# KiCad board DingoPDM.kicad_pcb (continued)
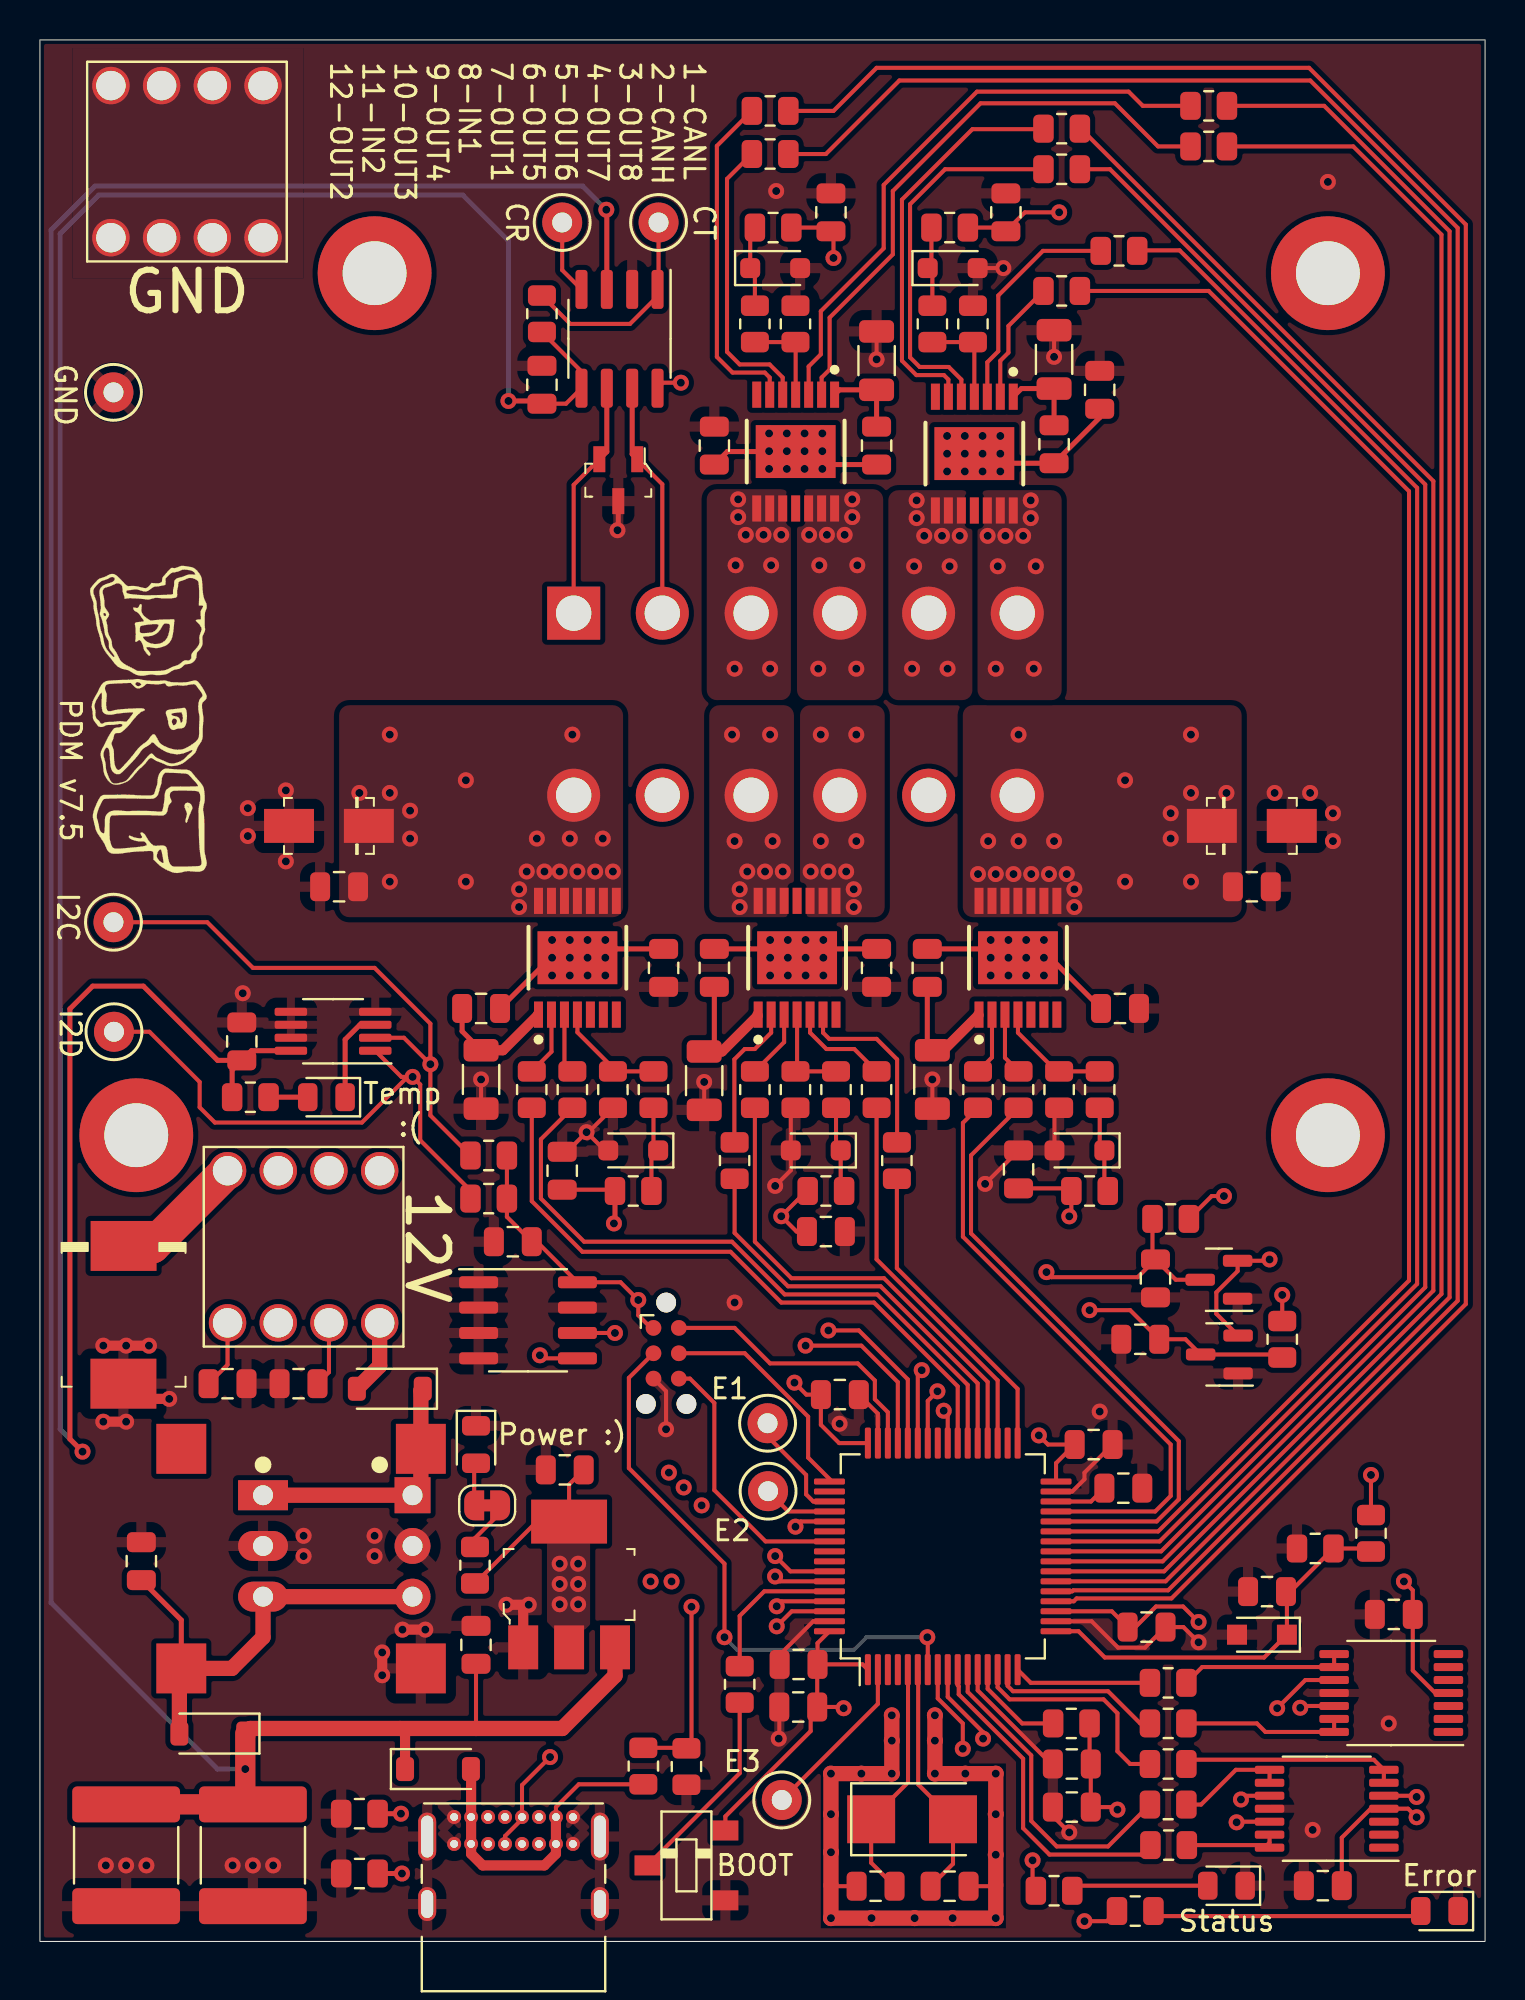
[diagram p0: board, top side]
## Footprints (pads in the part's own frame, mm; a bottom-side part is the same pattern mirrored in y, then rotated) (continued)
  rrect 1.95x0.6 smd: 1(-2.475,1.905) 2(-2.475,0.635) 3(-2.475,-0.635) 4(-2.475,-1.905) 5(2.475,-1.905) 6(2.475,-0.635) 7(2.475,0.635) 8(2.475,1.905)
SolderJumper-2_P1.3mm_Bridged_RoundedPad1.0x1.5mm
  custom 1x1.5 smd: 1(-0.65,0) 2(0.65,0)
SOT-23
  rrect 1.475x0.6 smd: 1(-0.938,0.95) 2(-0.938,-0.95) 3(0.938,0)
SOT-23-3
  rect 1.3x0.6 smd: 1(-1.05,0.95) 2(-1.05,-0.95) 3(1.05,0)
SOT-223
  rect 1.5x2.2 smd: 1(-2.3,-3.15) 2(0,-3.15) 3(2.3,-3.15)
  rect 3.8x2.2 smd: 4(0,3.15)
Tag-Connect_TC2030-IDC-NL_2x03_P1.27mm_Vertical
  round 0.991 hole 0.991 unplated: (-2.54,0) (2.54,1.016) (2.54,-1.016)
  round 0.787 smd: 1(-1.27,-0.635) 2(-1.27,0.635) 3(0,-0.635) 4(0,0.635) 5(1.27,-0.635) 6(1.27,0.635)
TDSO-14
  rect 1.31x0.45 smd: 1(-2.85,1.95) 2(-2.85,1.3) 3(-2.85,0.65) 4(-2.85,0) 5(-2.85,-0.65) 6(-2.85,-1.3) 7(-2.85,-1.95) 8(2.85,-1.95) 9(2.85,-1.3) 10(2.85,-0.65) 11(2.85,0) 12(2.85,0.65) 13(2.85,1.3) 14(2.85,1.95)
  rect 2.65x4 smd: 15(0,0)
TestPoint_Keystone_5000-5004_Miniature
  round 2 hole 1: 1(0,0)
TSSOP-14_4.4x5mm_P0.65mm
  rrect 1.475x0.4 smd: 1(-2.862,1.95) 2(-2.862,1.3) 3(-2.862,0.65) 4(-2.862,0) 5(-2.862,-0.65) 6(-2.862,-1.3) 7(-2.862,-1.95) 8(2.862,-1.95) 9(2.862,-1.3) 10(2.862,-0.65) 11(2.862,0) 12(2.862,0.65) 13(2.862,1.3) 14(2.862,1.95)
USB_C_Receptacle_GCT_USB4085
  round 0.7 hole 0.4: A1(0,0) A4(0.85,0) A5(1.7,0) A6(2.55,0) A7(3.4,0) A8(4.25,0) A9(5.1,0) A12(5.95,0) B1(5.95,-1.35) B4(5.1,-1.35) B5(4.25,-1.35) B6(3.4,-1.35) B7(2.55,-1.35) B8(1.7,-1.35) B9(0.85,-1.35) B12(0,-1.35)
  oval 0.9x2.4 hole 0.6x2.1: S1(-1.35,-0.98) S1(7.3,-0.98)
  oval 0.9x1.7 hole 0.6x1.4: S1(-1.35,-4.36) S1(7.3,-4.36)
VXO78x-500-M
  rect 2.5x2.5 smd: 1(-5.5,6) 2(5.5,6) 3(5.5,-6) 4(-5.5,-6)

## Nets
+3V3: C6.1 C9.1 C11.1 C12.1 C13.1 C14.1 C15.1 C16.1 C17.1 C18.1 C21.2 C39.1 C40.2 D6.2 D7.2 FB1.1 J4.1 R3.2 R5.2 R6.1 R7.1 R8.2 SW1.3 U2.2 U2.4 U3.5 U4.1 U4.19 U4.32 U4.48 U4.64 U5.8 U6.8 U7.4 U12.4
+5V: C5.1 C41.1 C42.1 D15.1 D18.1 U2.3 U3.3
+5VP: C4.1 D18.2 U1.3 U14.3 U15.3
+12V: C2.1 C3.1 C10.2 C22.2 C23.2 C26.2 C27.2 C30.2 C31.2 C33.2 C35.2 C36.2 D2.1 D19.2 J1.1 R1.1 U8.15 U9.15 U10.15 U11.15 U13.15
GND: C1.2 C2.2 C3.2 C4.2 C5.2 C6.2 C7.2 C8.2 C9.2 C11.2 C12.2 C13.2 C14.2 C15.2 C16.2 C17.2 C18.2 C19.2 C20.2 C21.1 C23.1 C24.1 C25.1 C27.1 C28.1 C29.1 C31.1 C32.1 C33.1 C34.1 C36.1 C37.1 C38.2 C39.2 C40.1 C41.2 C42.2 D1.2 D2.2 D3.1 D4.3 D6.1 D7.1 D8.A D9.2 D10.A D11.2 D12.2 D13.2 D14.2 D16.1 D17.1 J2.1 J4.5 J5.A1 J5.A12 J5.B1 J5.B12 J5.S1 R2.2 R15.2 R16.1 R21.2 R22.1 R30.2 R31.1 R38.2 R39.1 R47.2 R48.1 R54.2 R55.2 R57.2 SW1.1 TP1.1 U1.2 U2.1 U3.2 U4.12 U4.18 U4.31 U4.47 U4.63 U5.1 U5.2 U5.3 U5.4 U5.7 U6.4 U6.5 U6.6 U6.7 U7.11 U12.11 U14.2 U15.2
+12P: D19.1 U1.1 U14.1 U15.1
/HighCurrentDrivers/sheet5F5A40B9/IS: C25.2 R18.1 U7.5
/HighCurrentDrivers/sheet5F5A40BA/IS: C29.2 R24.1 U7.12
/MCU/BATT_SENSE: C1.1 D1.1 R1.2 R2.1 U4.17
/MCU/CAN_RX: TP3.1 U3.4 U4.61
/MCU/CAN_STANDBY: U3.8 U4.53
/MCU/CAN_TX: R5.1 TP2.1 U3.1 U4.62
/MCU/NRST: J4.3 U4.7
/MCU/SWCLK: J4.4 U4.49
/MCU/SWDIO: J4.2 U4.46
/MCU/SWO: J4.6 U4.55
/MedCurrentDrivers/Sheet5F5A9674/IS: C32.2 R33.1 U7.10
/MedCurrentDrivers/Sheet5F5A9675/IS: C34.2 R41.1 U12.12
/MedCurrentDrivers/Sheet5F5A9676/IS: C37.2 R50.1 U12.10
CAN_H: D4.1 J3.2 U3.7
CAN_L: D4.2 J3.1 U3.6
I2C1_SCL: R6.2 TP5.1 U4.58 U5.6 U6.2
I2C1_SDA: R7.2 TP6.1 U4.59 U5.5 U6.1
IN_1: C20.1 D7.3 R9.1 U4.43
IN_2: C19.1 D6.3 R10.1 U4.40
INPUT1: J3.8 R9.2
INPUT2: J3.11 R10.2
PF_DEN1: R14.2 U4.28
PF_DEN2: R20.2 U4.38
PF_DEN3_4: R27.2 U4.36
PF_DEN5_6: R35.2 U4.26
PF_DEN7_8: R44.2 U4.22
PF_DSEL3_4: R28.1 U4.35
PF_DSEL5_6: R36.1 U4.25
PF_DSEL7_8: R45.1 U4.21
PF_IN1: R13.2 U4.29
PF_IN2: R19.2 U4.39
PF_IN3: R26.2 U4.37
PF_IN4: R29.2 U4.33
PF_IN5: R34.2 U4.27
PF_IN6: R37.2 U4.24
PF_IN7: R43.2 U4.23
PF_IN8: R46.2 U4.20
PF_IS1: R11.1 U4.14
PF_IS2: R12.1 U4.10
PF_IS3_4: R25.1 U4.11
PF_IS5_6: R42.1 U4.15
PF_IS7_8: R51.1 U4.16
PF_OUT1: C24.2 D8.K J3.7 U8.8 U8.9 U8.10 U8.11 U8.12 U8.13 U8.14
PF_OUT2: C28.2 D10.K J3.12 U9.8 U9.9 U9.10 U9.11 U9.12 U9.13 U9.14
PF_OUT3: J3.10 U11.12 U11.13 U11.14
PF_OUT4: J3.9 U11.8 U11.9 U11.10
PF_OUT5: J3.6 U10.12 U10.13 U10.14
PF_OUT6: J3.5 U10.8 U10.9 U10.10
PF_OUT7: J3.4 U13.12 U13.13 U13.14
PF_OUT8: J3.3 U13.8 U13.9 U13.10
USB_D+: J5.A6 J5.B6 U4.45
USB_D-: J5.A7 J5.B7 U4.44
USB_VBUS: R56.2 R57.1 U4.42
Net-(D3-A): D3.2 JP1.1
Net-(D5-A): D5.2 R8.1
Net-(D5-K): D5.1 U6.3
Net-(D9-K): D9.1 R17.1 R18.2
Net-(D11-K): D11.1 R23.1 R24.2
Net-(D12-K): D12.1 R32.1 R33.2
Net-(D13-K): D13.1 R40.1 R41.2
Net-(D14-K): D14.1 R49.1 R50.2
Net-(D15-A): D15.2 J5.A4 J5.A9 J5.B4 J5.B9 R56.1
Net-(D16-A): D16.2 R52.2
Net-(D17-A): D17.2 R53.2
Net-(J5-CC1): J5.A5 R55.1
Net-(J5-CC2): J5.B5 R54.1
Net-(JP1-B): JP1.2 R3.1
Net-(SW1-B): R4.1 SW1.2
Net-(U4-BOOT0): R4.2 U4.60
Net-(U4-PC0): R52.1 U4.8
Net-(U4-PC1): R53.1 U4.9
Net-(U4-PC10): TP8.1 U4.51
Net-(U4-PC11): TP9.1 U4.52
Net-(U4-PC13): TP10.1 U4.2
Net-(U4-PH0): C7.1 U4.5 Y1.1
Net-(U4-PH1): C8.1 U4.6 Y1.2
Net-(U4-VCAP_1): C38.1 U4.30
Net-(U4-VDDA): FB1.2 U4.13
Net-(U7B--): R11.2 U7.6 U7.7
Net-(U7C--): R25.2 U7.8 U7.9
Net-(U7D--): R12.2 U7.13 U7.14
Net-(U8-DEN): R14.1 U8.3
Net-(U8-GND): C22.1 R16.2 U8.1
Net-(U8-IN): R13.1 U8.2
Net-(U8-IS): R15.1 R17.2 U8.4
Net-(U9-DEN): R20.1 U9.3
Net-(U9-GND): C26.1 R22.2 U9.1
Net-(U9-IN): R19.1 U9.2
Net-(U9-IS): R21.1 R23.2 U9.4
Net-(U10-DEN): R35.1 U10.3
Net-(U10-DSEL): R36.2 U10.5
Net-(U10-GND): C10.1 R39.2 U10.1
Net-(U10-IN0): R34.1 U10.2
Net-(U10-IN1): R37.1 U10.6
Net-(U10-IS): R38.1 R40.2 U10.4
Net-(U11-DEN): R27.1 U11.3
Net-(U11-DSEL): R28.2 U11.5
Net-(U11-GND): C30.1 R31.2 U11.1
Net-(U11-IN0): R26.1 U11.2
Net-(U11-IN1): R29.1 U11.6
Net-(U11-IS): R30.1 R32.2 U11.4
Net-(U12C--): R51.2 U12.8 U12.9
Net-(U12D--): R42.2 U12.13 U12.14
Net-(U13-DEN): R44.1 U13.3
Net-(U13-DSEL): R45.2 U13.5
Net-(U13-GND): C35.1 R48.2 U13.1
Net-(U13-IN0): R43.1 U13.2
Net-(U13-IN1): R46.1 U13.6
Net-(U13-IS): R47.1 R49.2 U13.4

Pads without a net: H1 1; H2 1; H3 1; H4 1; J5 A8 B8; U1 4; U4 3 4 34 41 50 54 56 57; U7 1 2 3; U8 5 6 7; U9 5 6 7; U10 7 11; U11 7 11; U12 1 2 3 5 6 7; U13 7 11

## Via types
v1: diameter 0.8, hole 0.4, Top to Bottom, 289 vias

## Routing (per net, layer and track width the routed paths; a pad name or vN(x,y) marks a point on that pad's centre or on a via; arc(x,y) is an arc through that point)
+3V3: length 221.3
  Top w0.203: R6.1 R7.1 23.39,36.3 C17.1 24.89,35.05 U5.8 29.08,33.02 v1(29.97,32.13) 29.97,31.37 30.61,30.73 J4.1 ; R3.2 24.89,21.03 U2.4 26.51,22.89 C6.1 ; FB1.1 52.58,8.95 C15.1 C16.1 53.85,6.73 v1(53.97,6.6) ; v1(37.8,27.99) 38.39,27.39 C13.1 39.12,25.88 40.03,24.96 U4.48 ; SW1.3 34.33,6.26 38.61,10.54 38.61,11.42 C14.1 ; C12.1 38.95,14.94 U4.64 ; C12.1 38.94,13.86 C14.1 ; C12.1 41.21,13.88 U4.1 ; v1(61.59,34.16) 61.53,34.1 D7.2 59.99,33.58 58.93,32.51 58.93,31.44 D6.2 ; v1(68.33,18.03) 68.77,17.59 C40.2 68.77,13.57 69.89,12.45 U12.4 ; U4.32 50.9,23.96 C11.1 50.5,24.89 v1(50.04,25.35) ; C9.1 26.35,77.03 U3.5 27.13,78.64 R5.2 ; v1(40.26,11.68) 40.2,11.75 C14.1 ; C21.2 65.21,5.2 66.66,6.65 U7.4 68.53,6.65 v1(68.96,6.22) ; U4.19 53.69,16.54 C39.1 54.87,15.75 55.9,16.78 57.26,16.78 v1(58.04,16)
  Top w0.25: C18.1 9.63,43.65 R8.2 ; C18.1 8.9,44.13 5.18,47.85 2.64,47.85 1.5,46.71 1.5,25.17 v1(2.13,24.54) ; C18.1 10.59,44.62 U6.8 ; C9.1 25.01,77.17 v1(23.47,77.17)
  Bottom w0.25: v1(2.13,24.54) 1.02,25.65 1.02,85.55 2.95,87.48 21.18,87.48 23.47,85.19 v1(23.47,77.17)
  vias: v1(26.03,18.92) v1(26.03,17.91) v1(26.03,16.89) v1(26.96,18.92) v1(26.96,17.91) v1(26.96,16.89)
+5V: length 151.8
  Top w0.203: C5.1 21.84,10.67
  Top w0.25: U3.3 28.4,86.69
  Top w0.508: D15.1 18.29,10.41 18.03,10.67
  Top w0.762: 10.29,7.25 C42.1 ; U2.3 28.81,13.31 26.16,10.67 10.54,10.67 D18.1 10.41,10.29
  Top w1.016: D18.1 10.29,7.25 ; C42.1 C41.1
  Bottom w0.25: v1(10.29,8.64) 8.89,8.64 0.56,16.96 0.56,85.73 2.76,87.93 27.18,87.93 v1(28.37,86.74)
+5VP: length 22.8
  Top w0.25: U1.3 7.08,16.1 C4.1
  Top w0.762: U14.3 U15.3 11.18,15.24 9.61,13.68 U1.3 6.99,13.58 D18.2
+12V: length 97.3
  Top w0.203: J1.1 9.4,28.89 C2.1 ; J1.1 14.48,28.51 C3.1 ; R1.1 v1(66.67,23.37)
  Top w0.25: C22.2 48.55,49.72 U8.15 50.61,49.28 C23.2 ; C27.2 28.89,49.72 28.45,50.16 27.56,49.28 27.56,50.16 27.37,49.72 U9.15 25.59,49.28 C26.2 ; C36.2 34.43,74.63 U13.15 ; C30.2 37.49,49.72 U11.15 38.37,49.72 C31.2 ; C35.2 38.08,73.98 v1(37.41,74.65) ; v1(47.22,74.52) 47.7,74.05 C10.2 53.09,76.33 C33.2
  Top w0.762: D19.2 17.02,28.83 J1.1
  Top w1.753: D2.1 5.63,34.84 J1.1
  In2.Cu w0.203: v1(50.29,48.39) 66.67,32 v1(66.67,23.37)
  vias: v1(25.65,50.16) v1(25.65,49.28) v1(25.65,48.39) v1(26.54,50.16) v1(26.54,49.28) v1(26.54,48.39) v1(27.43,50.16) v1(27.43,49.28) v1(27.43,48.39) v1(28.32,50.16) v1(28.32,49.28) v1(28.32,48.39) v1(36.53,75.54) v1(36.53,74.65) v1(36.53,73.76) v1(36.58,50.16) v1(36.58,49.28) v1(36.58,48.39) v1(37.41,75.54) v1(37.41,73.76) v1(37.46,50.16) v1(37.46,49.28) v1(37.46,48.39) v1(38.3,75.54) v1(38.3,74.65) v1(38.3,73.76) v1(38.35,50.16) v1(38.35,49.28) v1(38.35,48.39) v1(39.19,75.54) v1(39.19,74.65) v1(39.19,73.76) v1(39.24,50.16) v1(39.24,49.28) v1(39.24,48.39) v1(45.44,75.41) v1(45.44,74.52) v1(45.44,73.63) v1(46.33,75.41) v1(46.33,74.52) v1(46.33,73.63) v1(47.22,75.41) v1(47.22,73.63) v1(47.62,50.16) v1(47.62,49.28) v1(47.62,48.39) v1(48.11,75.41) v1(48.11,74.52) v1(48.11,73.63) v1(48.51,50.16) v1(48.51,49.28) v1(48.51,48.39) v1(49.4,50.16) v1(49.4,49.28) v1(49.4,48.39) v1(50.29,50.16) v1(50.29,49.28)
GND: length 104
  Top w0.203: D13.2 v1(48.26,83.82) ; U4.47 41.97,26.44 C13.2 ; v1(37.01,10.16) 37.04,10.19 C14.2 ; v1(51.56,5.46) 50.74,6.28 C16.2 ; J4.5 31.36,27.56 v1(31.36,25.66) ; v1(36.83,37.85) 37.61,38.63 D12.2 37.61,41.53 R30.2 ; v1(50.8,79.37) R39.1 ; C7.2 39.67,2.77 39.62,2.82 ; C11.2 52.32,23.48 52.32,23.15 51.71,22.54 U4.31 ; C8.2 47.83,2.77 47.88,2.82 ; R48.1 v1(41.91,79.25) ; v1(58.04,14.99) 57.28,15.75 C39.2 55.35,14.72 54,14.72 52.68,16.04 U4.18 ; D11.2 28.3,39.62 v1(27.38,40.54) ; R15.2 50.82,41.53 D9.2 ; U4.63 38.74,16.04 37.05,14.35 C12.2 ; v1(27.38,40.54) 26.4,39.56 C29.1 ; v1(27.38,40.54) 27.48,40.54 R21.2 ; R31.1 v1(33.27,43.05) ; C25.1 v1(47.35,37.95) ; U4.12 46.97,12.58 50.66,8.89 C15.2 ; R22.1 v1(22.1,43.18) ; R16.1 v1(44.7,43.18)
  Top w0.25: D4.3 28.97,70.76 28.91,70.69
  Top w0.508: v1(6.48,27.18) 4.94,27.18 D2.2 ; U2.1 24.21,16.59 v1(24.49,16.87) v1(23.37,16.87) ; v1(18.16,15.62) v1(19.3,15.62) ; v1(5.46,29.84) v1(4.32,29.84) v1(3.17,29.84) ; v1(17.14,13.34) v1(17.14,14.48) ; v1(3.17,26.03) v1(4.32,26.03)
  Top w0.762: v1(42.67,11.33) v1(42.67,10.06) v1(42.67,8.41) v1(41.15,8.41) v1(39.62,8.41) v1(39.62,6.38) v1(39.62,4.47) v1(39.62,1.17) v1(41.66,1.17) v1(43.81,1.17) v1(45.72,1.17) v1(47.88,1.17) v1(47.88,4.34) v1(47.88,6.38) v1(47.88,8.41) v1(46.35,8.41) v1(44.83,8.41) v1(44.83,10.06) 44.83,11.33 v1(44.83,11.33)
  vias: v1(3.3,3.81) v1(4.32,3.81) v1(5.33,3.81) v1(9.65,3.81) v1(10.16,47.5) v1(10.41,56.77) v1(10.41,55.37) v1(10.67,3.81) v1(11.68,3.81) v1(12.32,57.66) v1(12.32,54.1) v1(13.21,20.32) v1(13.21,19.3) v1(16.76,20.32) v1(16.76,19.3) v1(28.93,70.69) v1(34.8,32) v1(36.88,87.68) v1(40.06,25.93) v1(53.09,26.54) v1(61.85,57.53) v1(63.63,57.53) v1(63.75,5.59) v1(64.52,88.14) v1(64.77,56.52) v1(64.77,55.12) v1(67.56,10.92)
+12P: length 13
  Top w0.762: U15.1 U14.1 19.08,22.77 U1.1 19.08,27.59 D19.1
/HighCurrentDrivers/sheet5F5A40B9/IS: length 52.7
  Top w0.203: C25.2 51.53,37.72 ; v1(68.96,7.24) 68.9,7.3 U7.5 ; v1(51.56,36.32) 51.67,36.43 R18.1
  In2.Cu w0.203: v1(51.56,36.32) 61.09,36.32 63.63,33.78 63.63,30.35 60.96,27.69 60.96,10.16 63.88,7.24 v1(68.96,7.24) 69.09,7.37
/HighCurrentDrivers/sheet5F5A40BA/IS: length 62.2
  Top w0.203: v1(59.94,5.97) 59.97,6 U7.12 ; C29.2 28.74,37.66
  Top w0.25: 28.74,37.66 R24.1 28.81,36.02 v1(28.75,35.97)
  In2.Cu w0.203: v1(28.75,35.97) 30.34,34.38 53.12,34.38 59.44,28.07 59.44,6.48 v1(59.94,5.97)
/MCU/BATT_SENSE: length 20
  Top w0.203: R1.2 66.52,19.69 R2.1 62.63,17.53 C1.1 62.46,17.48 D1.1 61.32,14.22 53.34,14.22 52.02,15.54 U4.17
/MCU/CAN_RX: length 95.7
  Top w0.203: U3.4 26.16,83.72 TP3.1 ; U4.61 37.16,17.04 v1(36.91,16.79)
  In2.Cu w0.203: v1(36.91,16.79) 34.77,16.79 24.26,27.3 24.26,36.45 9.02,51.69 9.02,68.96 TP3.1
/MCU/CAN_STANDBY: length 92.6
  Top w0.203: v1(37.85,20.78) 38.11,21.04 U4.53 ; v1(32.11,78.08) 31.21,78.08 U3.8
  In2.Cu w0.203: v1(37.85,20.78) 37.54,20.47 33.38,20.47 29.41,24.43 29.41,29.72 29.67,29.97 29.67,31.14 27.74,33.07 27.74,36.47 20.37,43.84 20.37,44.15 9.5,55.02 9.5,68.78 18.8,78.08 v1(32.11,78.08)
/MCU/CAN_TX: length 113
  Top w0.203: R5.1 26.57,81.03 29.56,81.03 30.94,82.41 U3.1 30.99,82.8 TP2.1 ; v1(36.91,15.79) 37.66,16.54 U4.62
  In2.Cu w0.203: v1(36.91,15.79) 35.14,15.79 23.75,27.18 23.75,36.07 8.51,51.31 8.51,69.22 23.24,83.95 23.24,86.74 25.02,88.52 28.57,88.52 TP2.1
/MCU/NRST: length 29
  Top w0.203: v1(34.29,15.24) 34.29,18.92 29.5,23.71 29.5,28.23 J4.3 ; U4.7 44.47,15.22 v1(44.45,15.24)
  Bottom w0.203: v1(34.29,15.24) 34.92,14.6 40.77,14.6 41.4,15.24 v1(44.45,15.24)
/MCU/SWCLK: length 11.5
  Top w0.203: J4.4 35.31,29.46 38.48,26.29 38.48,24.24 39.63,23.09
/MCU/SWDIO: length 14.3
  Top w0.203: J4.2 34.8,30.73 36.58,28.96 40.96,28.96 41.82,28.1 41.82,27.16 42.47,26.51 U4.46
/MCU/SWO: length 13.5
  Top w0.203: J4.6 32.56,28.19 33.78,26.97 33.78,22.61 36.35,20.04 U4.55
/MedCurrentDrivers/Sheet5F5A9674/IS: length 52.5
  Top w0.203: U7.10 60.35,7.3 v1(60.16,7.11) ; R33.1 38.4,37.59 v1(37.14,36.33) 37.9,35.56 C32.2
  In2.Cu w0.203: v1(37.14,36.33) 38.46,35 53.52,35 60.16,28.36 v1(60.16,7.11)
/MedCurrentDrivers/Sheet5F5A9675/IS: length 95.5
  Top w0.203: U12.12 63.22,11.8 v1(63.13,11.71) ; R41.1 48.2,85.85 C34.2 49.34,86.61 v1(51.05,86.61)
  In2.Cu w0.203: v1(51.05,86.61) 70.61,67.06 70.61,14.73 67.59,11.71 v1(63.13,11.71)
/MedCurrentDrivers/Sheet5F5A9676/IS: length 101.1
  Top w0.203: 37.64,85.85 39.44,85.85 C37.2 39.75,85.54 v1(39.75,84.33) ; U12.10 63.39,13.1 v1(61.98,11.68)
  In2.Cu w0.203: v1(39.75,84.33) 41.78,82.3 50.67,82.3 69.22,63.75 69.22,16.89 66.55,14.22 64.52,14.22 v1(61.98,11.68)
CAN_H: length 11.9
  Top w0.203: J3.2 31.18,72.99 D4.1
  Top w0.25: U3.7 29.67,74.5 D4.1
CAN_L: length 12
  Top w0.203: J3.1 26.74,72.96 D4.2
  Top w0.25: U3.6 28.4,74.62 D4.2
I2C1_SCL: length 68.7
  Top w0.203: R6.2 19.56,41.38 v1(19.56,43.94) ; U5.6 v1(28.8,30.48) ; v1(19.56,43.94) 19.56,45.97 16.76,48.77 10.67,48.77 8.38,51.05 TP5.1 ; v1(19.56,43.94) 18.23,45.27 U6.2 ; v1(36.83,19.3) 37.59,18.54 U4.58
  In2.Cu w0.203: 27.33,30.53 27.33,25.92 34.08,19.18 36.7,19.18 v1(36.83,19.3) ; 27.33,30.53 27.38,30.48 v1(28.8,30.48) ; 27.33,30.53 27.33,36.17 v1(19.56,43.94)
I2C1_SDA: length 68.9
  Top w0.203: U4.59 37.07,18.04 v1(36.83,18.28) ; U6.1 18.11,43.31 v1(18.67,43.31) ; U5.5 25.2,29.21 v1(25.04,29.36) ; TP6.1 5.49,45.57 8,43.05 8,41.78 8.76,41.02 16.13,41.02 18.41,43.31 v1(18.67,43.31) ; v1(18.67,43.31) 19.05,42.93 19.05,40.13 21.57,37.62 R7.2
  In2.Cu w0.203: v1(18.67,43.31) 26.92,35.05 26.92,29.41 ; 26.92,29.41 26.87,29.36 v1(25.04,29.36) ; 26.92,29.41 26.92,25.76 34.39,18.29 36.82,18.29 v1(36.83,18.28)
IN_1: length 22.7
  Top w0.203: v1(44.17,28.62) 43.97,28.42 U4.43 ; 55.88,34.16 56.9,33.15 D7.3 ; 55.88,34.16 54.99,33.27 50.67,33.27 v1(50.42,33.53) ; 55.88,34.16 55.73,34.31 R9.1
  In2.Cu w0.203: v1(50.42,33.53) 50.29,33.53 45.38,28.62 v1(44.17,28.62)
IN_2: length 21.7
  Top w0.203: v1(52.58,31.62) 54.61,31.62 C19.1 57.38,30.16 D6.3 62.08,29.4 R10.1 ; v1(45.27,26.58) 45.47,26.38 U4.40
  In2.Cu w0.203: v1(52.58,31.62) 47.54,26.58 v1(45.27,26.58)
INPUT1: length 31.6
  Top w0.203: v1(59.31,37.34) 58.7,37.34 R9.2
  In2.Cu w0.203: J3.8 44.52,46.67 53.85,37.34 v1(59.31,37.34)
INPUT2: length 52
  Top w0.203: v1(62.23,32.38) R10.2
  In2.Cu w0.203: J3.11 31.18,41.59 33.53,39.24 43.18,39.24 46.86,35.56 57.66,35.56 60.83,32.38 v1(62.23,32.38)
PF_DEN1: length 31.5
  Top w0.203: R14.2 46.64,39.38 46.64,35.47 57.05,25.06 57.05,22.15 55.94,21.04 U4.28
PF_DEN2: length 33.4
  Top w0.203: R20.2 25.1,40.18 25.1,37.22 27.26,35.05 34.66,35.05 37.31,32.41 41.94,32.41 46.47,27.88 U4.38
PF_DEN3_4: length 24.3
  Top w0.203: U4.36 47.47,28.03 42.28,33.22 37.64,33.22 35.81,35.05 R27.2
PF_DEN5_6: length 82.3
  Top w0.203: U4.26 56.09,20.04 68.99,32.94 68.99,72.81 57.09,84.71 54.99,84.71 R35.2
PF_DEN7_8: length 92.8
  Top w0.203: R44.2 64.33,91.95 70.61,85.66 70.61,32.26 56.39,18.04 U4.22
PF_DSEL3_4: length 19.3
  Top w0.203: U4.35 47.97,28.1 41.91,34.17 R28.1
PF_DSEL5_6: length 88
  Top w0.203: U4.25 56.16,19.54 69.39,32.77 69.39,72.98 53.6,88.77 R36.1
PF_DSEL7_8: length 118
  Top w0.203: R45.1 39.37,89.53 43.05,93.22 63.63,93.22 71.02,85.83 71.02,32.1 56.51,17.59 51.76,17.59 51.71,17.54 U4.21
PF_IN1: length 30.1
  Top w0.203: R13.2 46.23,41 46.23,35.3 56.64,24.89 56.64,22.32 55.86,21.54 U4.29
PF_IN2: length 32.7
  Top w0.203: R19.2 24.64,37.08 27.18,34.55 34.59,34.55 37.14,32 41.78,32 45.97,27.81 U4.39
PF_IN3: length 21
  Top w0.203: U4.37 46.97,27.96 42.11,32.82 37.47,32.82 34.8,35.49 R26.2
PF_IN4: length 15.7
  Top w0.203: U4.33 48.97,27.68 42.93,33.73 R29.2
PF_IN5: length 83.1
  Top w0.203: U4.27 56.01,20.54 68.58,33.11 68.58,72.64 58.55,82.68 R34.2
PF_IN6: length 90.1
  Top w0.203: R37.2 52.14,90.81 69.8,73.15 69.8,32.6 56.24,19.04 U4.24
PF_IN7: length 90.7
  Top w0.203: U4.23 56.31,18.54 70.21,32.43 70.21,85.5 65.79,89.92 R43.2
PF_IN8: length 118.8
  Top w0.203: R46.2 39.75,91.69 41.91,93.85 63.57,93.85 71.42,86 71.42,31.93 56.68,17.18 51.93,17.18 51.79,17.04 U4.20
PF_IS1: length 11.2
  Top w0.203: R11.1 54.61,8.89 53.97,9.52 53.97,11.43 53.28,12.13 48.57,12.13 47.97,12.73 U4.14
PF_IS2: length 16.4
  Top w0.203: U4.10 45.97,12.83 46.02,12.78 46.02,12.38 49.25,9.15 49.25,5.67 50.57,4.35 55.15,4.35 R12.1
PF_IS3_4: length 16.2
  Top w0.203: R25.1 53.5,4.76 50.93,4.76 49.66,6.04 49.66,9.32 46.47,12.5 U4.11
PF_IS5_6: length 8.7
  Top w0.203: U4.15 48.47,12.8 48.74,12.53 53.51,12.53 55.12,10.92 R42.1
PF_IS7_8: length 6.9
  Top w0.203: R51.1 49.63,12.95 U4.16
PF_OUT1:
  vias: v1(46.99,53.47) v1(47.5,55.12) v1(47.88,53.47) v1(48.77,53.47) v1(49.02,60.45) v1(49.02,55.12) v1(49.66,53.47) v1(50.55,53.47) v1(50.8,55.12) v1(51.43,53.47) v1(51.82,52.7) v1(51.82,51.82) v1(54.36,58.17) v1(54.36,53.09) v1(56.64,56.52) v1(56.64,55.24) v1(57.66,60.45) v1(57.66,57.53) v1(57.66,53.09) v1(59.44,57.53)
PF_OUT2:
  vias: v1(16,57.53) v1(17.53,60.45) v1(17.53,57.53) v1(17.53,53.09) v1(18.54,56.64) v1(18.54,55.24) v1(21.34,58.17) v1(21.34,53.09) v1(24,52.7) v1(24,51.82) v1(24.38,53.59) v1(24.89,55.24) v1(25.27,53.59) v1(26.03,53.59) v1(26.54,55.24) v1(26.67,60.45) v1(26.92,53.59) v1(27.81,53.59) v1(28.19,55.24) v1(28.7,53.59)
PF_OUT3:
  vias: v1(34.67,60.45) v1(34.8,55.12) v1(35.05,52.7) v1(35.05,51.82) v1(35.43,53.59) v1(36.32,53.59) v1(36.58,60.45) v1(36.7,55.12) v1(37.21,53.59)
PF_OUT4:
  vias: v1(38.61,53.59) v1(39.12,60.45) v1(39.12,55.12) v1(39.5,53.59) v1(40.39,53.59) v1(40.77,52.7) v1(40.77,51.82) v1(40.89,60.45) v1(40.89,55.12)
PF_OUT5:
  vias: v1(47.47,70.41) v1(47.88,63.75) v1(47.98,68.88) v1(48.36,70.41) v1(49.25,70.41) v1(49.63,72.19) v1(49.63,71.3) v1(49.78,63.75) v1(49.89,68.88)
PF_OUT6:
  vias: v1(43.69,63.75) v1(43.79,68.88) v1(43.92,72.19) v1(43.92,71.3) v1(44.3,70.41) v1(45.19,70.41) v1(45.47,63.75) v1(45.57,68.88) v1(46.08,70.41)
PF_OUT7:
  vias: v1(38.53,70.46) v1(38.99,63.75) v1(39.04,68.94) v1(39.42,70.46) v1(40.31,70.46) v1(40.69,72.24) v1(40.69,71.35) v1(40.89,63.75) v1(40.94,68.94)
PF_OUT8:
  vias: v1(34.85,68.94) v1(34.8,63.75) v1(34.98,72.24) v1(34.98,71.35) v1(35.36,70.46) v1(36.25,70.46) v1(36.58,63.75) v1(36.63,68.94) v1(37.13,70.46)
USB_D+: length 42.8
  Top w0.203: U4.45 42.97,28.02 41.15,29.84 v1(38.35,29.84)
  In1.Cu w0.203: v1(31.64,18.03) 31.62,18.05 31.62,22.1 32.25,22.72 v1(32.25,22.74)
  In2.Cu w0.203: J5.B6 24.15,5.28 23.3,6.13 J5.A6 23.3,7.65 24.18,8.53 27.14,8.53 31.62,13.02 31.62,18.02 v1(31.64,18.03) ; v1(38.35,29.84) 36.64,29.84 33.88,27.08 33.88,24.23 32.39,22.74 v1(32.25,22.74)
USB_D-: length 43.2
  Top w0.203: U4.44 43.47,28.15 41.02,30.61 v1(39.5,30.61) ; v1(25.55,9.24) 24.15,7.83 J5.A7 24.15,6.13 23.3,5.28 J5.B7
  In1.Cu w0.203: v1(30.59,18.03) 30.61,18.05 30.61,22.59 v1(31.51,23.49)
  In2.Cu w0.203: v1(39.5,30.61) 36.76,30.61 33.43,27.27 33.43,25.43 31.51,23.5 v1(31.51,23.49) ; v1(25.55,9.24) 27.21,9.24 30.61,12.64 30.61,18.02 v1(30.59,18.03)
USB_VBUS: length 35
  Top w0.203: v1(44.96,27.56) 44.47,27.07 U4.42 ; v1(32.64,16.76) 32.64,9.93 R57.1 32.36,9.7 R56.2
  In1.Cu w0.203: v1(32.64,16.76) 33.15,17.27 v1(33.15,21.84)
  In2.Cu w0.203: v1(33.15,21.84) 34.54,23.24 34.54,27.05 36.45,28.96 41.91,28.96 43.31,27.56 v1(44.96,27.56)
Net-(D3-A): length 2.1
  Top w0.203: D3.2 21.75,23.86 JP1.1
Net-(D5-A): length 2
  Top w0.25: D5.2 R8.1
Net-(D5-K): length 4.7
  Top w0.25: U6.3 16.03,45.92 15.29,45.18 D5.1
Net-(D9-K): length 4.1
  Top w0.203: D9.1 53.32,37.76 ; R17.1 53.09,39.86
  Top w0.25: 53.09,39.86 D9.1
Net-(D11-K): length 4.4
  Top w0.203: R23.1 30.73,39.86 ; R24.2 30.63,39.29
  Top w0.25: 30.63,39.29 D11.1 30.73,39.86
Net-(D12-K): length 4.1
  Top w0.203: 40.11,37.76 D12.1 39.88,39.86 R32.1
Net-(D13-K): length 4.1
  Top w0.203: R40.1 44.7,83.59 D13.1 44.66,84.01 R41.2
Net-(D14-K): length 4.1
  Top w0.203: R50.2 35.58,85.62 D14.1 35.81,83.59 R49.1
Net-(D15-A): length 16.2
  Top w0.203: J5.A9 25.85,6.73 26.99,7.87 R56.1
  Top w0.508: D15.2 21.6,8.63 J5.A4 J5.B9 21.6,4.39 22.18,3.81 25.27,3.81 25.85,4.39 J5.B4 J5.A9
Net-(D16-A): length 13.6
  Top w0.203: D16.2 68.91,1.27 56.03,1.27 R52.2
Net-(D17-A): length 6.9
  Top w0.203: D17.2 51.97,2.79 R53.2
Net-(J5-CC1): length 6.5
  Top w0.25: v1(18.08,6.4) R55.1
  In2.Cu w0.25: v1(18.08,6.4) 18.8,7.11 22.07,7.11 22.45,6.73 J5.A5
Net-(J5-CC2): length 9
  Top w0.25: v1(18.14,3.4) R54.1
  In2.Cu w0.25: J5.B5 25,4.39 24.01,3.4 v1(18.14,3.4)
Net-(JP1-B): length 2.6
  Top w0.203: JP1.2 23.05,21.46 21.79,20.2 R3.1
Net-(SW1-B): length 10.1
  Top w0.203: SW1.2 35.05,8.43 R4.1
Net-(U4-BOOT0): length 7.5
  Top w0.203: R4.2 35.05,16.31 36.28,17.54 U4.60
Net-(U4-PC0): length 19.7
  Top w0.203: v1(46.23,9.65) 46.23,10.92 44.97,12.18 U4.8 ; R52.1 53.44,1.02 v1(52.32,1.02)
  In2.Cu w0.203: v1(46.23,9.65) 46.48,9.4 48.51,9.4 49.02,8.89 49.02,2.54 50.55,1.02 v1(52.32,1.02)
Net-(U4-PC1): length 13.9
  Top w0.203: v1(47.24,10.16) 47.24,10.48 45.47,12.25 U4.9 ; v1(49.72,4.06) 49.72,2.7 R53.1
  In2.Cu w0.203: v1(47.24,10.16) 49.02,10.16 49.72,9.46 v1(49.72,4.06)
Net-(U4-PC10): length 5.7
  Top w0.203: TP8.1 36.45,25.3 38.38,23.37 38.38,22.4 38.74,22.04 U4.51
Net-(U4-PC11): length 3.5
  Top w0.203: U4.52 37.49,21.54 TP9.1
Net-(U4-PC13): length 8.5
  Top w0.203: TP10.1 41.97,11.9 U4.2
Net-(U4-PH0): length 12
  Top w0.203: C7.1 41.64,3.94 Y1.1 43.48,7.97 43.48,13.53
Net-(U4-PH1): length 12
  Top w0.203: C8.1 45.74,3.89 Y1.2 43.99,7.87 43.99,13.54
Net-(U4-VCAP_1): length 2.7
  Top w0.203: C38.1 52.65,22.04 U4.30
Net-(U4-VDDA): length 5
  Top w0.203: FB1.2 49.2,10.92 47.47,12.65 U4.13
Net-(U7B--): length 10.8
  Top w0.203: U7.6 U7.7 66.82,9.1 57.64,9.1 R11.2
Net-(U7C--): length 5.5
  Top w0.203: U7.9 U7.8 59.91,8.6 58.17,6.86 R25.2
Net-(U7D--): length 4.8
  Top w0.203: R12.2 61.47,4.83 ; 61.47,4.83 61.59,4.95 61.59,5.35 ; 61.47,4.83 U7.14
Net-(U8-DEN): length 3.1
  Top w0.203: U8.3 48.34,44.27 R14.1
Net-(U8-GND): length 6.3
  Top w0.25: C22.1 44.45,44.9 R16.2
  Top w0.508: R16.2 45.26,44.64 47.01,46.39 47.01,46.43
Net-(U8-IN): length 3.1
  Top w0.203: R13.1 47.69,44.29 U8.2
Net-(U8-IS): length 5.8
  Top w0.203: U8.4 48.99,45.52 50.93,43.58 R15.1 R17.2
Net-(U9-DEN): length 3
  Top w0.203: U9.3 26.27,43.98 R20.1
Net-(U9-GND): length 6.1
  Top w0.25: R22.2 21.15,45.59 C26.1
  Top w0.508: R22.2 23.19,44.64 24.94,46.39 24.94,46.43
Net-(U9-IN): length 3.2
  Top w0.203: R19.1 25.62,44.57 U9.2
Net-(U9-IS): length 5.6
  Top w0.203: U9.4 26.92,45.54 28.7,43.76 R21.1 R23.2
Net-(U10-DEN): length 11.4
  Top w0.203: R35.1 50.24,84.68 48.01,82.45 48.01,79.65 47.46,79.1 U10.3
Net-(U10-DSEL): length 19
  Top w0.203: R36.2 45.34,88.77 43.59,87.02 43.59,79.35 44.07,78.87 45.53,78.87 46.16,78.24 U10.5
Net-(U10-GND): length 4.1
  Top w0.25: C10.1 R39.2 49.16,77.79 U10.1
Net-(U10-IN0): length 6.2
  Top w0.203: U10.2 48.11,79.18 48.51,79.59 48.51,80.92 R34.1
Net-(U10-IN1): length 20.2
  Top w0.203: U10.6 45.51,78.24 45.28,78.46 43.9,78.46 43.18,79.18 43.18,87.25 46.71,90.78 50.24,90.78 R37.1
Net-(U10-IS): length 4.8
  Top w0.203: U10.4 46.81,80.04 R38.1 R40.2
Net-(U11-DEN): length 3.4
  Top w0.203: R27.1 37.28,45.05 U11.3
Net-(U11-DSEL): length 5
  Top w0.203: R28.2 40.79,44.7 39.39,44.7 38.58,45.52 U11.5
Net-(U11-GND): length 6.9
  Top w0.25: R31.2 33.78,45.09 C30.1
  Top w0.508: 35.95,46.43 35.95,46.36 34.17,44.58 R31.2
Net-(U11-IN0): length 7.5
  Top w0.203: R26.1 34.79,40.04 34.79,44.18 35.31,44.7 35.81,44.7 36.63,45.52 U11.2
Net-(U11-IN1): length 9.3
  Top w0.203: U11.6 39.23,45.52 39.54,45.21 41.91,45.21 42.94,44.18 42.94,40.04 R29.1
Net-(U11-IS): length 4.9
  Top w0.203: R32.2 R30.1 37.93,43.67 U11.4
Net-(U12C--): length 8.4
  Top w0.203: U12.8 U12.9 58.22,13.75 R51.2
Net-(U12D--): length 8.2
  Top w0.203: R42.2 60.96,10.92 61.39,10.5 U12.14 U12.13
Net-(U13-DEN): length 29.7
  Top w0.203: U13.3 38.51,78.89 39.12,79.5 39.12,81.66 42.27,84.81 42.27,87.99 46.94,92.66 54.53,92.66 55.24,91.95 R44.1
Net-(U13-DSEL): length 14.6
  Top w0.203: R45.2 34.42,88.29 34.42,79.63 35.05,78.99 36.55,78.99 37.21,78.34 U13.5
Net-(U13-GND): length 4
  Top w0.25: U13.1 40.05,77.72 R48.2 C35.1
Net-(U13-IN0): length 29.3
  Top w0.203: U13.2 39.16,78.34 39.56,78.74 39.56,81.34 42.72,84.51 42.72,87.68 47.12,92.08 53.85,92.08 56.01,89.92 R43.1
Net-(U13-IN1): length 17
  Top w0.203: U13.6 36.56,78.34 36.31,78.59 34.7,78.59 33.91,79.38 33.91,89.94 R46.1
Net-(U13-IS): length 4.7
  Top w0.203: R49.2 R47.1 37.86,80.1 U13.4

## Copper pours and planes (outline as drawn; the poured copper is in the pictures)
+3V3 on Top: 25.78,15.62 27.3,15.62 27.56,15.88 27.56,20.57 27.43,20.7 25.65,20.7 25.4,20.45 25.4,16
+3V3 on Bottom: -16.49,100.71 93.74,100.71 93.43,-27.74 -16.8,-27.74
+12V on Bottom: -6.73,28.3 20.62,28.07 26.92,35.05 82.17,34.76 82.17,104.39 -7.04,104.39
GND on Top, In1.Cu: -16.52,100.66 93.71,100.66 93.95,-28.5 -16.29,-28.5
GND on Top, In1.Cu: 13.21,94.84 13.21,83.31 1.63,83.31 1.63,94.84
PF_OUT1 on Top, Bottom, In1.Cu, In2.Cu: 46.23,51.31 46.23,61.93 60.2,61.93 60.2,51.31
PF_OUT2 on Top, Bottom, In1.Cu, In2.Cu: 29.21,51.31 29.21,61.93 14.99,61.93 14.99,51.31
PF_OUT3 on Top, Bottom, In1.Cu, In2.Cu: 37.77,51.31 33.53,51.31 33.53,61.93 37.77,61.93
PF_OUT4 on Top, Bottom, In1.Cu, In2.Cu: 42.32,51.31 38.07,51.31 38.07,61.93 42.32,61.93
PF_OUT5 on Top, Bottom, In1.Cu, In2.Cu: 46.96,72.69 51.18,72.69 51.18,62.18 46.96,62.18
PF_OUT6 on Top, Bottom, In1.Cu, In2.Cu: 42.49,72.69 46.71,72.69 46.71,62.18 42.49,62.18
PF_OUT7 on Top, Bottom, In1.Cu, In2.Cu: 37.92,72.75 42.24,72.75 42.24,62.18 37.92,62.18
PF_OUT8 on Top, Bottom, In1.Cu, In2.Cu: 33.4,72.75 37.62,72.75 37.62,62.18 33.4,62.18

## Text on the board
B.Silkscreen: SUP
F.Silkscreen: 1-CANL / 2-CANH / 3-OUT8 / 4-OUT7 / 5-OUT6 / 6-OUT5 / 7-OUT1 / 8-IN1 / 9-OUT4 / 10-OUT3 / 11-IN2 / 12-OUT2 | GND | I2C | I2D | CR | CT | Temp / :( | Power :) | Status | Error | PDM v7.5 | 12V
